# Altium PCB SVPX_FMC_6U_SOM.PcbDoc (part 8 of 9)
Units mm, origin at the board's own origin, x right, y up, seen from the top; angles counter-clockwise.
Board outline 160.38 x 233.53 mm, 10 copper layers (Top Layer, L1, P1, L2, P2, P3, L3, P4, L4, Bottom Layer), stack 1.749 mm thick; 649 components, 1262 nets, 4113 pads, 1924 vias.
Unrouted connection lines stored in the file: 1553.
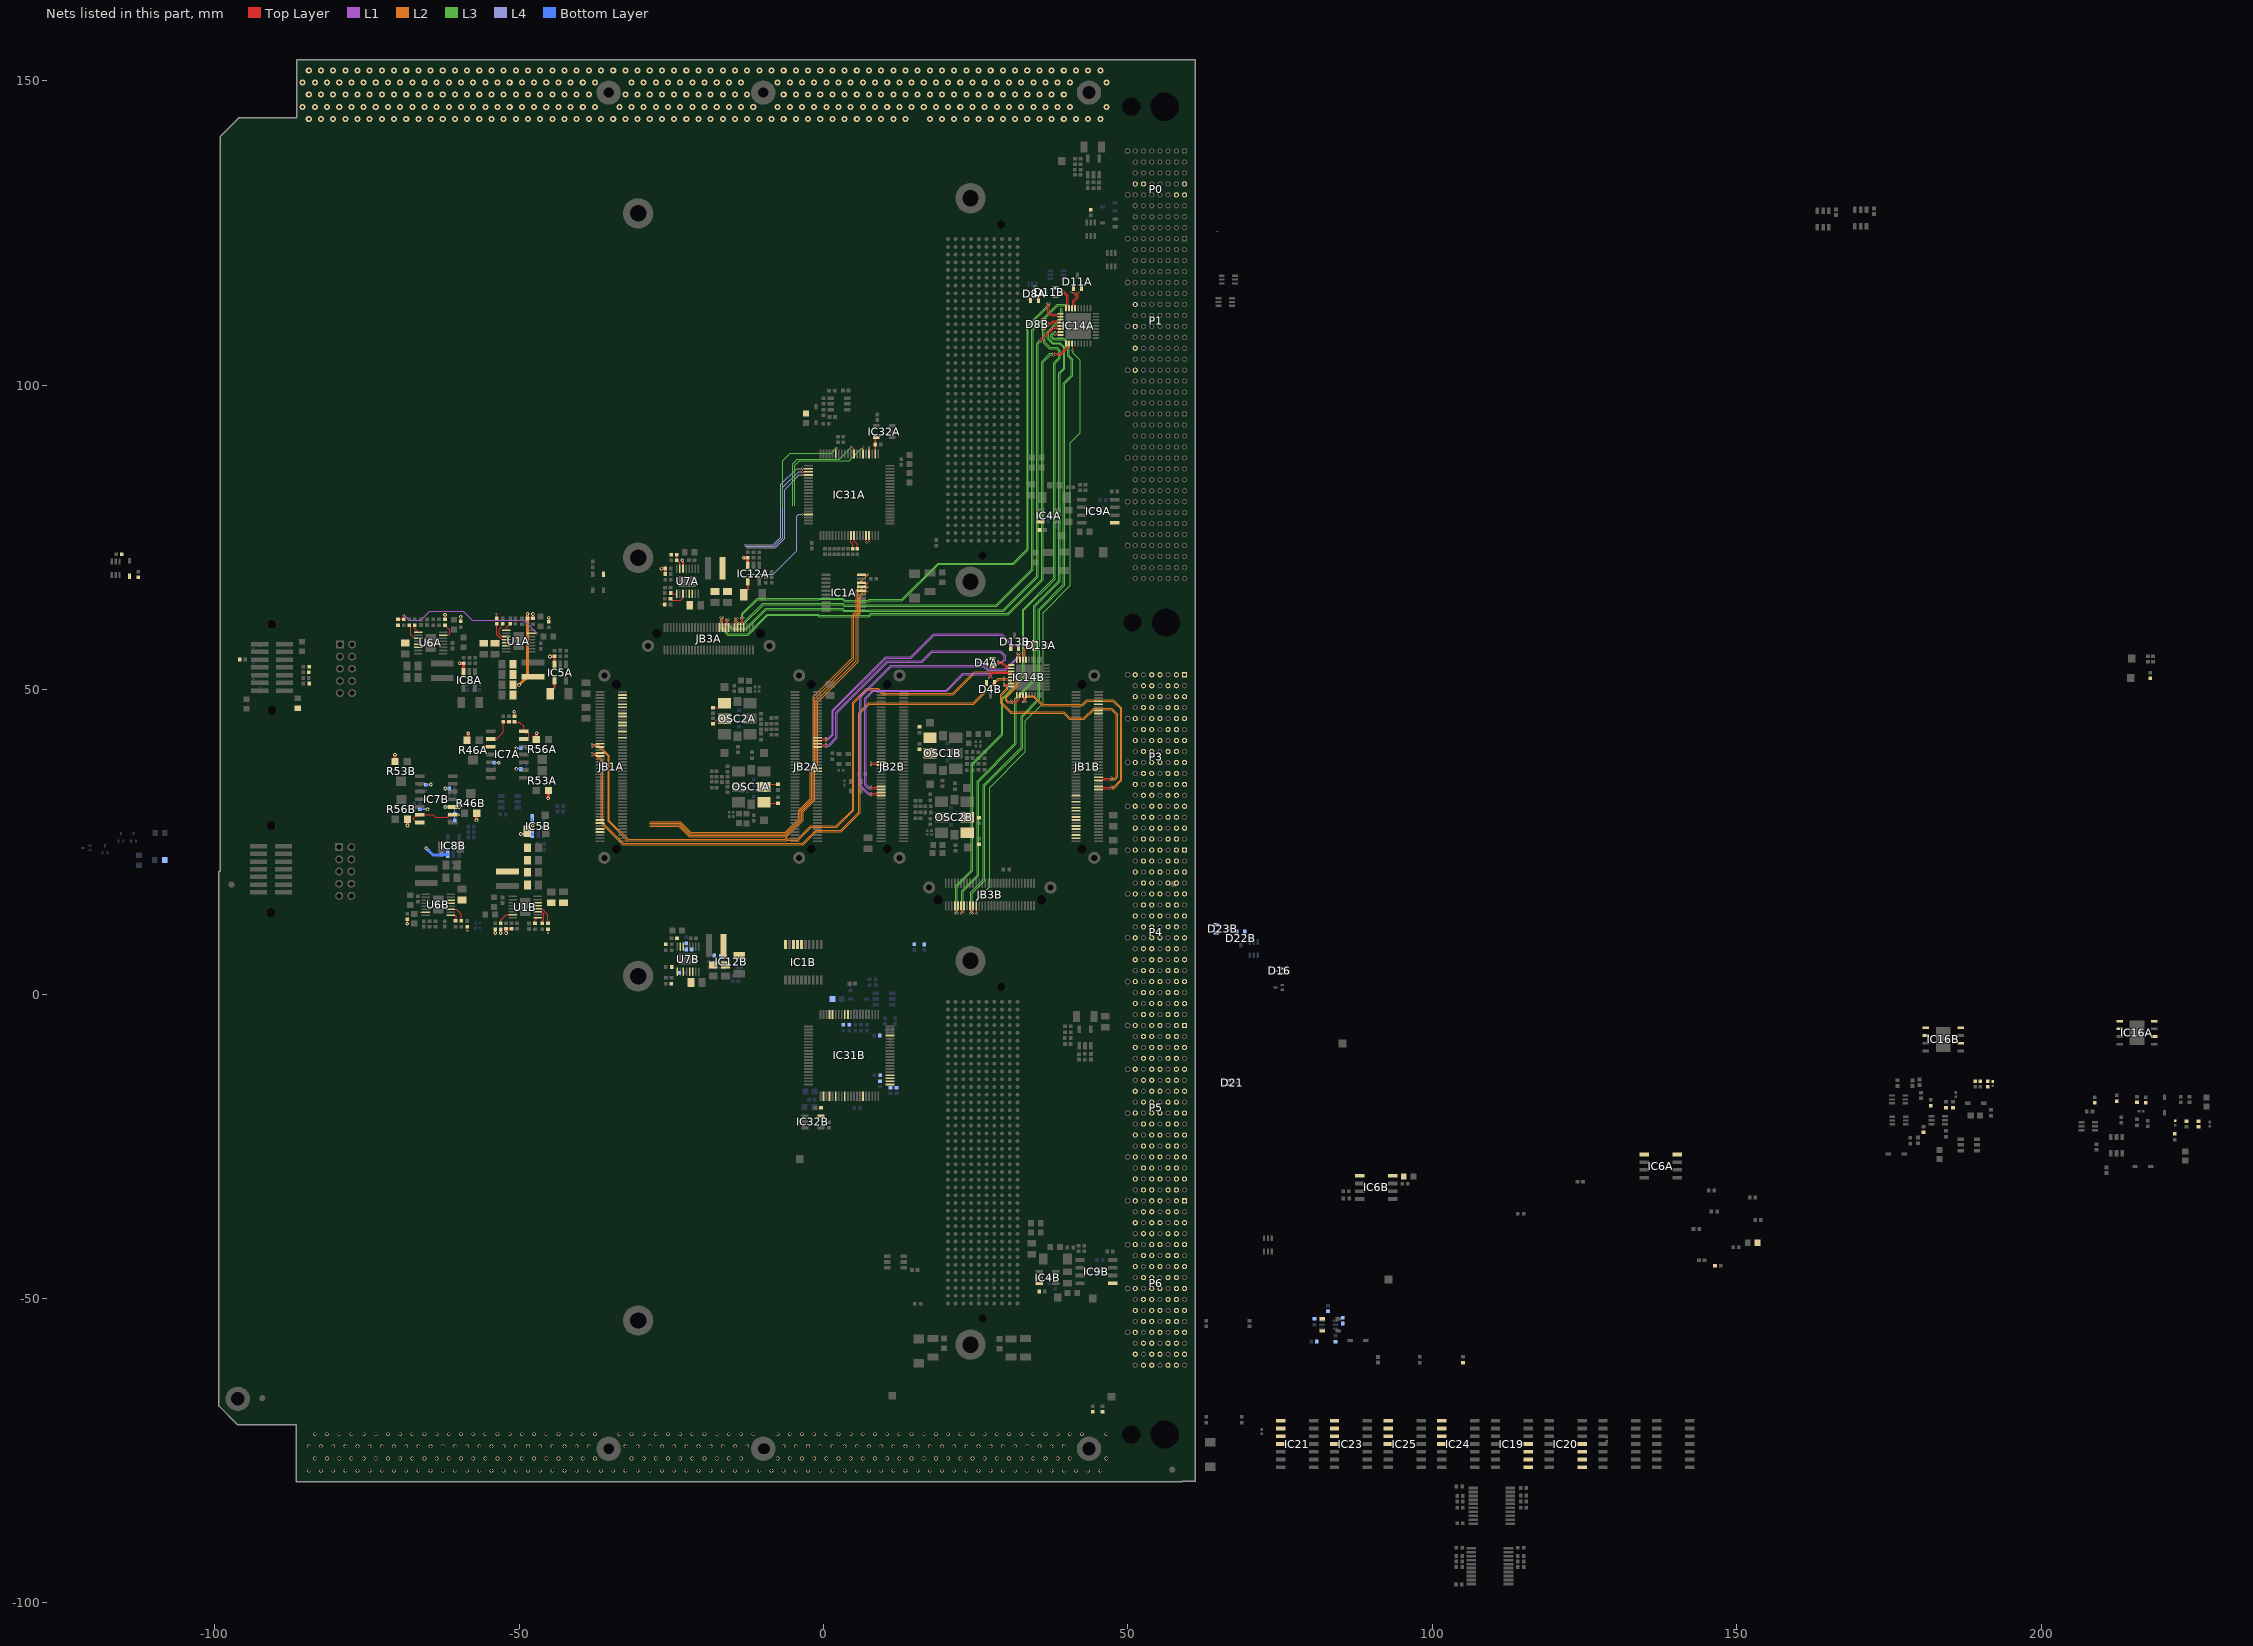
[diagram p16: the nets of this part, all layers, seen from the top]

## Via types
v1: diameter 0.32, hole 0.16, Top Layer to Bottom Layer, 654 vias
v2: diameter 0.6, hole 0.3, Top Layer to Bottom Layer, 398 vias
v3: diameter 1, hole 0.5, Top Layer to Bottom Layer, 314 vias
v4: diameter 0.3, hole 0.2, Top Layer to Bottom Layer, tented both sides, 270 vias
v5: diameter 0.6, hole 0.5, Top Layer to Bottom Layer, 248 vias
v6: diameter 0.5, hole 0.2, Top Layer to Bottom Layer, 18 vias
v7: diameter 0.3, hole 0.2, Top Layer to Bottom Layer, 18 vias
v8: diameter 0.4, hole 0.3, Top Layer to Bottom Layer, tented both sides, 4 vias

## Nets (pads, with @x,y where several pads share a name; then routed paths per layer and width w, separated by ;. In a path a pad name is that pad's centre, name@x,y a point inside that pad or via, vN(x,y) a via of type N, cw(c..) or ccw(c..) an arc to the next point about the centre after c; other vN are vias at no path point) (continued)
NetIC31A_22: IC31A.22 R142A.2 | length 20.9
  Top Layer w0.127: v1@-3.48,86.284 v1(-3.48,86.309) -2.484,86.309 IC31A.22@-2.45,86.275
  L4 w0.127: -13.03,73.812 -8.214,73.812 -6.985,75.042 -6.985,83.718 -4.394,86.309 v1(-3.48,86.309)
NetIC31A_23: IC31A.23 R143A.2 | length 20.3
  Top Layer w0.127: v1(-3.48,85.801) -3.467,85.788 -2.463,85.788 IC31A.23@-2.45,85.775
  L4 w0.127: -12.852,73.533 -8.077,73.533 -6.655,74.955 -6.655,83.21 -4.064,85.801 v1(-3.48,85.801)
NetIC31A_24: IC31A.24 R144A.2 | length 19.9
  Top Layer w0.127: v1(-3.48,85.256) -3.47,85.266 -2.459,85.266 IC31A.24@-2.45,85.275
  L4 w0.127: -12.7,73.304 -7.925,73.304 -6.375,74.854 -6.375,82.829 -3.949,85.256 v1(-3.48,85.256)
NetIC31A_37: IC31A.37 R136A.2 | length 17.4
  Top Layer w0.127: v1(-3.48,78.765) -3.475,78.77 -2.455,78.77 IC31A.37@-2.45,78.775
  L4 w0.127: -12.446,68.986 -8.23,68.986 -4.394,72.822 -4.394,78.461 -4.089,78.765 v1(-3.48,78.765)
NetIC31B_21: IC31B.21 R141B.2
NetIC31B_22: IC31B.22 R142B.2
NetIC31B_23: IC31B.23 R143B.2
NetIC31B_24: IC31B.24 R144B.2
NetIC31B_37: IC31B.37 R136B.2
NetOSC1A_1: OSC1A.1 R108A.2 | length 2.3
  Top Layer w0.127: OSC1A.1@-9.766,31.48 -9.642,31.356 R108A.2@-7.468,31.356
NetOSC1A_2: OSC1A.2 R119A.2 | length 2.5
  Top Layer w0.127: OSC1A.2@-9.766,34.02 -9.331,34.455 R119A.2@-7.468,34.455
NetOSC1B_1: OSC1B.1 R108B.2
NetOSC1B_2: OSC1B.2 R119B.2
NetOSC2A_1: OSC2A.1 R124A.2 | length 2.2
  Top Layer w0.127: R124A.2@-18.14,47.054 -16.932,47.054 OSC2A.1@-16.24,47.745
NetOSC2A_2: OSC2A.2 R129A.2 | length 2.3
  Top Layer w0.127: R129A.2@-18.14,44.361 -18.12,44.361 -17.893,44.588 -17.893,44.608 -17.431,45.069 -16.376,45.069 OSC2A.2@-16.24,45.205
NetOSC2B_1: OSC2B.1 R124B.2
NetOSC2B_2: OSC2B.2 R129B.2
NetR4A_2: R4A.2 U1A.1 | length 1.3
  Top Layer w0.127: U1A.1@-52.109,59.728 -52.109,60.133 -51.705,60.537 -51.705,60.557 -51.479,60.783 R4A.2@-51.459,60.783
NetR4B_2: R4B.2 U1B.1 | length 1.2
  Top Layer w0.127: R4B.2@-47.396,11.621 -47.396,12.084 -47.191,12.289 -47.191,12.473 -47.134,12.53 U1B.1@-46.95,12.53
NetR5A_1: R5A.1 R89A.1 U1A.4 | length 4.2
  Top Layer w0.127: R5A.1@-53.67,60.795 -53.67,59.055 -52.86,58.245 -52.125,58.245 U1A.4@-52.109,58.228 ; v1(-26.651,64) R89A.1@-26.07,64
NetR5B_1: R5B.1 R89B.1 U1B.4 | length 3.5
  Top Layer w0.127: U1B.4@-46.95,14.03 -46.926,14.006 -46.264,14.006 -45.263,13.005 R5B.1@-45.263,11.595
NetR17A_2: R17A.2 U6A.1 | length 1.5
  Top Layer w0.127: R17A.2@-67.15,60.605 -67.15,60.002 -66.817,59.668 -66.817,59.484 -66.76,59.427 U6A.1@-66.576,59.427
NetR17B_2: R17B.2 U6B.1 | length 1.8
  Top Layer w0.127: U6B.1@-61.217,12.927 -61.204,12.914 -60.463,12.914 -60.3,12.751 -60.3,12.165 R17B.2@-60.444,12.021
NetR21A_2: R21A.2 U6A.3 | length 3.1
  Top Layer w0.127: R21A.2@-68.025,60.605 -68.005,60.605 -67.778,60.378 -67.778,59.79 -67.753,59.764 -67.753,59.03 -67.151,58.427 U6A.3@-66.576,58.427
NetR21B_2: R21B.2 U6B.3 | length 3.2
  Top Layer w0.127: U6B.3@-61.217,13.927 -60.294,13.927 -59.479,13.112 R21B.2@-59.479,12.021
NetR25A_2: R25A.2 U7A.1 | length 1.1
  Top Layer w0.203: R25A.2@-25.105,65.85 -24.98,65.725 U7A.1@-24.075,65.725
NetR25B_2: R25B.2 U7B.1
NetR29A_2: R29A.2 U7A.3 | length 3
  Top Layer w0.203: R29A.2@-25.13,64.925 -25.13,64.905 -24.942,64.717 -24.922,64.717 -24.905,64.7 -23.425,64.7 -23.084,65.041 -23.084,65.716 U7A.3@-23.075,65.725
NetR29B_2: R29B.2 U7B.3
NetR61A_2: R61A.2 U1A.3 | length 3.2
  Top Layer w0.127: R61A.2@-52.684,60.803 -52.704,60.803 -52.931,60.577 -52.931,60.557 -52.959,60.528 -52.959,60.173 -53.238,59.893 -53.238,59.08 -52.886,58.728 U1A.3@-52.109,58.728
NetR61B_2: R61B.2 U1B.3 | length 2.8
  Top Layer w0.127: U1B.3@-46.95,13.53 -46.342,13.53 -46.28,13.468 -46.26,13.468 -45.923,13.132 -45.923,12.319 -46.177,12.065 R61B.2@-46.177,11.595
NVMRO_14: P0.A4
P1V8_outA: C197A.2 IC16A.8 R66A.2
P1V8_outB: C197B.2 IC16B.8 R66B.2
P3-DP0_N: P3.B1
P3-DP0_P: P3.A1
P3-DP1_N: P3.E1
P3-DP1_P: P3.D1
P3-DP2_N: P3.C2
P3-DP2_P: P3.B2
P3-DP3_N: P3.F2
P3-DP3_P: P3.E2
P3-DP4_N: P3.B3
P3-DP4_P: P3.A3
P3-DP5_N: P3.E3
P3-DP5_P: P3.D3
P3-DP6_N: P3.C4
P3-DP6_P: P3.B4
P3-DP7_N: P3.F4
P3-DP7_P: P3.E4
P3-DP8_N: P3.B5
P3-DP8_P: P3.A5
P3-DP9_N: P3.E5
P3-DP9_P: P3.D5
P3-DP10_N: P3.C6
P3-DP10_P: P3.B6
P3-DP11_N: P3.F6
P3-DP11_P: P3.E6
P3-DP12_N: P3.B7
P3-DP12_P: P3.A7
P3-DP13_N: P3.E7
P3-DP13_P: P3.D7
P3-DP14_N: P3.C8
P3-DP14_P: P3.B8
P3-DP15_N: P3.F8
P3-DP15_P: P3.E8
P3-DP16_N: P3.B9
P3-DP16_P: P3.A9
P3-DP17_N: P3.E9
P3-DP17_P: P3.D9
P3-DP18_N: P3.C10
P3-DP18_P: P3.B10
P3-DP19_N: P3.F10
P3-DP19_P: P3.E10
P3-DP20_N: P3.B11
P3-DP20_P: P3.A11
P3-DP21_N: P3.E11
P3-DP21_P: P3.D11
P3-DP22_N: P3.C12
P3-DP22_P: P3.B12
P3-DP23_N: P3.F12
P3-DP23_P: P3.E12
P3-DP24_N: P3.B13
P3-DP24_P: P3.A13
P3-DP25_N: P3.E13
P3-DP25_P: P3.D13
P3-DP26_N: P3.C14
P3-DP26_P: P3.B14
P3-DP27_N: P3.F14
P3-DP27_P: P3.E14
P3-DP28_N: P3.B15
P3-DP28_P: P3.A15
P3-DP29_N: P3.E15
P3-DP29_P: P3.D15
P3-DP30_N: P3.C16
P3-DP30_P: P3.B16
P3-DP31_N: P3.F16
P3-DP31_P: P3.E16
P3-SE0: P3.G1
P3-SE1: P3.G3
P3-SE2: P3.G5
P3-SE3: P3.G7
P3-SE4: P3.G9
P3-SE5: P3.G11
P3-SE6: P3.G13
P3-SE7: P3.G15
P3V3_buckA: C78A.2 C78B.2 C79A.2 C79B.2 C80A.2 C80B.2 IC12A.4 IC12B.4 L6A.2 L6B.2 R8A.2 R8B.2 R19A.2 R19B.2 R22A.1 R22B.1 R28A.2 R28B.2 U7A.14 U7B.14 | length 7.1
  Top Layer w0.254: v2(-68.377,11.557) -68.364,11.57 -68.364,12.243 R19B.2@-68.351,12.255 ; R19A.2@-59.575,61.197 v2(-59.575,61.952) ; v2(-53.899,10.033) R8B.2@-53.899,10.681 ; R8A.2@-45.11,61.174 v2@-45.11,61.823 ; v2(-23.176,71.253) -23.11,71.187 -23.11,70.967 -23.075,70.932 U7A.14@-23.075,69.825 ; IC12A.4@-12.45,67.7 -12.45,66.725 -12.307,66.581 -12.307,66.442
  Top Layer w0.4: R28A.2@-26.02,68.975 -26.01,68.985 -26.01,69.865 C80A.2@-26,69.875
  Top Layer w0.5: v2(-26.632,69.875) C80A.2@-26,69.875
  other v2: -45.11,61.824
P4-DP0_N: P4.B1
P4-DP0_P: P4.A1
P4-DP1_N: P4.E1
P4-DP1_P: P4.D1
P4-DP2_N: P4.C2
P4-DP2_P: P4.B2
P4-DP3_N: P4.F2
P4-DP3_P: P4.E2
P4-DP4_N: P4.B3
P4-DP4_P: P4.A3
P4-DP5_N: P4.E3
P4-DP5_P: P4.D3
P4-DP6_N: P4.C4
P4-DP6_P: P4.B4
P4-DP7_N: P4.F4
P4-DP7_P: P4.E4
P4-DP8_N: P4.B5
P4-DP8_P: P4.A5
P4-DP9_N: P4.E5
P4-DP9_P: P4.D5
P4-DP10_N: P4.C6
P4-DP10_P: P4.B6
P4-DP11_N: P4.F6
P4-DP11_P: P4.E6
P4-DP12_N: P4.B7
P4-DP12_P: P4.A7
P4-DP13_N: P4.E7
P4-DP13_P: P4.D7
P4-DP14_N: P4.C8
P4-DP14_P: P4.B8
P4-DP15_N: P4.F8
P4-DP15_P: P4.E8
P4-DP16_N: P4.B9
P4-DP16_P: P4.A9
P4-DP17_N: P4.E9
P4-DP17_P: P4.D9
P4-DP18_N: P4.C10
P4-DP18_P: P4.B10
P4-DP19_N: P4.F10
P4-DP19_P: P4.E10
P4-DP20_N: P4.B11
P4-DP20_P: P4.A11
P4-DP21_N: P4.E11
P4-DP21_P: P4.D11
P4-DP22_N: P4.C12
P4-DP22_P: P4.B12
P4-DP23_N: P4.F12
P4-DP23_P: P4.E12
P4-DP24_N: P4.B13
P4-DP24_P: P4.A13
P4-DP25_N: P4.E13
P4-DP25_P: P4.D13
P4-DP26_N: P4.C14
P4-DP26_P: P4.B14
P4-DP27_N: P4.F14
P4-DP27_P: P4.E14
P4-DP28_N: P4.B15
P4-DP28_P: P4.A15
P4-DP29_N: P4.E15
P4-DP29_P: P4.D15
P4-DP30_N: P4.C16
P4-DP30_P: P4.B16
P4-DP31_N: P4.F16
P4-DP31_P: P4.E16
P4-SE0: P4.G1
P4-SE1: P4.G3
P4-SE2: P4.G5
P4-SE3: P4.G7
P4-SE4: P4.G9
P4-SE5: P4.G11
P4-SE6: P4.G13
P4-SE7: P4.G15
P5-DP0_N: P5.B1
P5-DP0_P: P5.A1
P5-DP1_N: P5.E1
P5-DP1_P: P5.D1
P5-DP2_N: P5.C2
P5-DP2_P: P5.B2
P5-DP3_N: P5.F2
P5-DP3_P: P5.E2
P5-DP4_N: P5.B3
P5-DP4_P: P5.A3
P5-DP5_N: P5.E3
P5-DP5_P: P5.D3
P5-DP6_N: P5.C4
P5-DP6_P: P5.B4
P5-DP7_N: P5.F4
P5-DP7_P: P5.E4
P5-DP8_N: P5.B5
P5-DP8_P: P5.A5
P5-DP9_N: P5.E5
P5-DP9_P: P5.D5
P5-DP10_N: P5.C6
P5-DP10_P: P5.B6
P5-DP11_N: P5.F6
P5-DP11_P: P5.E6
P5-DP12_N: P5.B7
P5-DP12_P: P5.A7
P5-DP13_N: P5.E7
P5-DP13_P: P5.D7
P5-DP14_N: P5.C8
P5-DP14_P: P5.B8
P5-DP15_N: P5.F8
P5-DP15_P: P5.E8
P5-DP16_N: P5.B9
P5-DP16_P: P5.A9
P5-DP17_N: P5.E9
P5-DP17_P: P5.D9
P5-DP18_N: P5.C10
P5-DP18_P: P5.B10
P5-DP19_N: P5.F10
P5-DP19_P: P5.E10
P5-DP20_N: P5.B11
P5-DP20_P: P5.A11
P5-DP21_N: P5.E11
P5-DP21_P: P5.D11
P5-DP22_N: P5.C12
P5-DP22_P: P5.B12
P5-DP23_N: P5.F12
P5-DP23_P: P5.E12
P5-DP24_N: P5.B13
P5-DP24_P: P5.A13
P5-DP25_N: P5.E13
P5-DP25_P: P5.D13
P5-DP26_N: P5.C14
P5-DP26_P: P5.B14
P5-DP27_N: P5.F14
P5-DP27_P: P5.E14
P5-DP28_N: P5.B15
P5-DP28_P: P5.A15
P5-DP29_N: P5.E15
P5-DP29_P: P5.D15
P5-DP30_N: P5.C16
P5-DP30_P: P5.B16
P5-DP31_N: P5.F16
P5-DP31_P: P5.E16
P5-SE0: P5.G1
P5-SE1: P5.G3
P5-SE2: P5.G5
P5-SE3: P5.G7
P5-SE4: P5.G9
P5-SE5: P5.G11
P5-SE6: P5.G13
P5-SE7: P5.G15
P5V0_buckA: C7A.2 C9A.2 C35A.2 C72A.2 C213A.2 IC5A.4 L1A.2 R2A.2 R20A.1 | length 17.1
  Top Layer w0.254: v2(-48.59,62.459) -48.59,61.7 -48.589,61.698 R2A.2@-47.709,61.698 -47.718,61.707 -47.718,62.424 v2(-47.727,62.433) ; R20A.1@-44.875,49.326 -44.875,49.626 -44.377,50.124 -44.33,50.124 -44.181,50.273 IC5A.4@-44.181,51.457
  L2 w0.5: v2(-50.013,50.775) -48.59,52.197 v2(-48.59,62.459)
P5V0_buckB: C7B.2 C9B.2 C35B.2 C72B.2 C213B.2 IC5B.4 L1B.2 R2B.2 R20B.1 | length 2.9
  Top Layer w0.254: R2B.2@-52.146,10.706 -51.252,10.706 C7B.2@-51.232,10.726
  Top Layer w0.5: R2B.2@-52.146,10.706 -52.133,10.693 -52.133,10.046 v2(-52.121,10.033)
  Bottom Layer w0.254: IC5B.4@-47.817,28.924 -47.802,28.909 -47.802,27.736 v2(-47.752,27.686)
P6-DP0_N: P6.B1
P6-DP0_P: P6.A1
P6-DP1_N: P6.E1
P6-DP1_P: P6.D1
P6-DP2_N: P6.C2
P6-DP2_P: P6.B2
P6-DP3_N: P6.F2
P6-DP3_P: P6.E2
P6-DP4_N: P6.B3
P6-DP4_P: P6.A3
P6-DP5_N: P6.E3
P6-DP5_P: P6.D3
P6-DP6_N: P6.C4
P6-DP6_P: P6.B4
P6-DP7_N: P6.F4
P6-DP7_P: P6.E4
P6-DP8_N: P6.B5
P6-DP8_P: P6.A5
P6-DP9_N: P6.E5
P6-DP9_P: P6.D5
P6-DP10_N: P6.C6
P6-DP10_P: P6.B6
P6-DP11_N: P6.F6
P6-DP11_P: P6.E6
P6-DP12_N: P6.B7
P6-DP12_P: P6.A7
P6-DP13_N: P6.E7
P6-DP13_P: P6.D7
P6-DP14_N: P6.C8
P6-DP14_P: P6.B8
P6-DP15_N: P6.F8
P6-DP15_P: P6.E8
P6-DP16_N: P6.B9
P6-DP16_P: P6.A9
P6-DP17_N: P6.E9
P6-DP17_P: P6.D9
P6-DP18_N: P6.C10
P6-DP18_P: P6.B10
P6-DP19_N: P6.F10
P6-DP19_P: P6.E10
P6-DP20_N: P6.B11
P6-DP20_P: P6.A11
P6-DP21_N: P6.E11
P6-DP21_P: P6.D11
P6-DP22_N: P6.C12
P6-DP22_P: P6.B12
P6-DP23_N: P6.F12
P6-DP23_P: P6.E12
P6-DP24_N: P6.B13
P6-DP24_P: P6.A13
P6-DP25_N: P6.E13
P6-DP25_P: P6.D13
P6-DP26_N: P6.C14
P6-DP26_P: P6.B14
P6-DP27_N: P6.F14
P6-DP27_P: P6.E14
P6-DP28_N: P6.B15
P6-DP28_P: P6.A15
P6-DP29_N: P6.E15
P6-DP29_P: P6.D15
P6-DP30_N: P6.C16
P6-DP30_P: P6.B16
P6-DP31_N: P6.F16
P6-DP31_P: P6.E16
P6-SE0: P6.G1
P6-SE1: P6.G3
P6-SE2: P6.G5
P6-SE3: P6.G7
P6-SE4: P6.G9
P6-SE5: P6.G11
P6-SE6: P6.G13
P6-SE7: P6.G15
P12V0_IN: C74A.2 C74B.2 IC4A.3 IC4B.3 IC6A.1 IC6B.1 IC9A.1 IC9B.1
P12V0A: C1A.2 C5A.2 C10A.2 C12A.2 C18A.2 C29A.2 C269A.2 C270A.2 IC5A.3 IC6A.8 IC7A.3 IC8A.3 IC12A.3 R1A.1 R3A.2 R23A.1 R46A.3 R52A.2 R53A.3 R55A.2 R56A.3 R58A.2 R76A.2 R85A.1 R94A.2 R107A.1 U1A.5 U1A.6 U6A.5 U6A.6 U7A.5 U7A.6 | length 14.6
  Top Layer w0.254: R76A.2@-62.175,61.545 -62.165,61.555 -62.165,62.284 v2(-62.155,62.293) ; v2(-50.775,46.355) -50.762,46.342 -50.762,45.669 R23A.1@-50.749,45.657 ; v2(-44.907,55.448) -44.891,55.464 -44.212,55.464 C10A.2@-44.196,55.481 -44.181,55.466 IC5A.3@-44.181,54.157
  Top Layer w0.5: v2(-59.766,54.331) -59.764,54.328 -59.102,54.328 C269A.2@-59.099,54.325 -59.125,54.3 IC8A.3@-59.125,52.912 ; R46A.3@-58.55,41.7 -58.366,41.884 -58.366,42.801 -58.344,42.823 v2(-58.344,42.85) ; v2(-55.905,40.64) -55.895,40.63 -54.635,40.63 IC7A.3@-54.625,40.62 ; R56A.3@-47.175,41.8 -47.136,41.839 -47.136,42.831 v2(-47.117,42.85) ; v2(-45.212,32.14) -45.212,32.167 -45.175,32.204 R53A.3@-45.175,33.425 ; v2(-13.1,71.667) -13.091,71.658 -12.458,71.658 C270A.2@-12.45,71.65 IC12A.3@-12.45,70.4
  Bottom Layer w0.254: R3A.2@-54.08,38 v2@-53.341,37.999 ; v2(-50.444,36.982) -50.435,36.973 -49.729,36.973 R52A.2@-49.72,36.964 ; v2(-50.444,40.361) -50.442,40.358 -49.728,40.358 R55A.2@-49.726,40.355
  other v2: -53.34,37.998
P12V0B: C1B.2 C5B.2 C10B.2 C12B.2 C18B.2 C29B.2 C269B.2 C270B.2 IC5B.3 IC6B.8 IC7B.3 IC8B.3 IC12B.3 R1B.1 R3B.2 R23B.1 R46B.3 R52B.2 R53B.3 R55B.2 R56B.3 R58B.2 R76B.2 R85B.1 R94B.2 R107B.1 U1B.5 U1B.6 U6B.5 U6B.6 U7B.5 U7B.6 | length 14.5
  Top Layer w0.254: v2(-53.01,10.033) R58B.2@-53.01,10.681
  Top Layer w0.5: v2(-70.383,39.319) -70.379,39.315 -70.379,38.204 R53B.3@-70.375,38.2 ; v2@-68.325,27.687 R56B.3@-68.325,28.725 ; IC7B.3@-60.925,30.719 -60.918,30.727 -59.822,30.727 v2(-59.815,30.734) ; v2(-56.998,28.524) -56.998,28.551 -56.975,28.574 -56.975,29.65 R46B.3@-56.95,29.675
  Bottom Layer w0.254: R55B.2@-66.307,30.353 -65.075,30.353 v2(-65.049,30.328) ; R52B.2@-65.337,34.382 -64.526,34.382 v2(-64.491,34.417) ; v2(-62.128,30.734) -62.124,30.73 -61.474,30.73 R23B.1@-61.47,30.725 ; v2(-62.128,33.757) -62.126,33.754 -61.491,33.754 R3B.2@-61.488,33.752 ; v2@-49.708,26.365 v2(-49.708,26.289) -48.801,26.289 C10B.2@-48.793,26.296
  Bottom Layer w0.5: v2(-65.227,23.952) -64.121,22.846 -62.847,22.846 -62.834,22.858 -62.798,22.858 C269B.2@-62.738,22.918 -62.705,22.951 -61.765,22.951 IC8B.3@-61.732,22.983 ; C10B.2@-48.793,26.296 -48.757,26.26 -47.853,26.26 IC5B.3@-47.817,26.224
  other v2: -68.326,27.686
PG_P2V5A: D6A.1 IC31A.6 R76A.1 R194A.2 U6A.15 | length 23.1
  Top Layer w0.127: U6A.15@-62.476,58.927 -61.596,58.927 -61.417,59.106 -61.417,59.842 -61.928,60.354 -61.928,60.378 -62.155,60.605 R76A.1@-62.175,60.605 ; v1(6.452,89.789) 6.476,89.765 6.476,88.749 IC31A.6@6.5,88.725
  L3 w0.127: -4.699,80.162 -4.699,86.817 -3.937,87.579 4.242,87.579 v1(6.452,89.789)
PG_P2V5B: D6B.1 IC31B.6 R76B.1 R194B.2 U6B.15 | length 1
  Top Layer w0.127: v1(-66.345,13.437) -65.326,13.437 U6B.15@-65.317,13.427
PG_P3V3A: D17A.1 IC31A.57 R94A.1 R193A.2 U7A.15 | length 3.7
  Top Layer w0.203: R94A.1@-24.08,72.15 R193A.2@-24.08,71.25 -24.08,71.23 -23.892,71.042 -23.872,71.042 -23.575,70.745 U7A.15@-23.575,69.825 ; IC31A.57@7.5,75.325 7.509,75.316 7.509,74.203 v1(7.518,74.193)
PG_P3V3B: D17B.1 IC31B.57 R94B.1 R193B.2 U7B.15
PG_P5V0A: IC31A.4 R58A.1 R60A.1 R195A.2 U1A.15 | length 27.9
  Top Layer w0.127: U1A.15@-48.009,59.228 -47.121,59.228 v1(-47.117,59.233) ; v1(7.493,89.738) 7.497,89.735 7.497,88.728 IC31A.4@7.5,88.725
  Top Layer w0.254: R58A.1@-69.875,61.545 R60A.1@-68.95,61.545 v1(-68.95,62.293)
  L1 w0.127: v1(-68.95,62.293) -68.023,61.366 -66.168,61.366 -64.644,62.89 -59.182,62.89 -57.658,61.366 -49.251,61.366 v1(-47.117,59.233)
PG_P5V0B: IC31B.4 R58B.1 R60B.1 R195B.2 U1B.15 | length 3.6
  Top Layer w0.127: R60B.1@-58.496,11.062 -58.496,10.363 v1(-58.471,10.338) ; R58B.1@-53.01,11.621 -53.01,12.09 -52.07,13.03 U1B.15@-51.05,13.03
PHY_MDI0A_N: JB1A.5
PHY_MDI0A_P: JB1A.3
PHY_MDI0B_N: JB1B.5
PHY_MDI0B_P: JB1B.3
PHY_MDI1A_N: JB1A.11
PHY_MDI1A_P: JB1A.9
PHY_MDI1B_N: JB1B.11
PHY_MDI1B_P: JB1B.9
PHY_MDI2A_N: JB1A.17
PHY_MDI2A_P: JB1A.15
PHY_MDI2B_N: JB1B.17
PHY_MDI2B_P: JB1B.15
PHY_MDI3A_N: JB1A.23
PHY_MDI3A_P: JB1A.21
PHY_MDI3B_N: JB1B.23
PHY_MDI3B_P: JB1B.21
PWR_OVLnA: C83A.2 IC7A.2 IC7A.13 IC7A.14 IC31A.15 R5A.2 R23A.2 R192A.2 | length 30.3
  Top Layer w0.127: IC7A.2@-54.625,41.89 -53.716,41.89 -52.603,43.002 C83A.2@-52.603,44.737 -51.684,44.737 R192A.2@-51.664,44.717 R23A.2@-50.749,44.717 -50.711,44.679 -49.936,44.679 -49.225,43.967 IC7A.14@-49.225,43.16 -48.988,42.923 -48.511,42.923 -48.387,42.799 -48.387,42.345 -48.389,42.344 -48.389,42.238 -48.501,42.126 -48.988,42.126 IC7A.13@-49.225,41.89 ; R5A.2@-53.67,61.735 v1(-53.67,62.433) ; IC31A.15@2,88.725 2.086,88.811 2.086,89.588 2.134,89.635 v1(2.134,89.687)
  L3 w0.127: -6.68,79.883 -6.68,87.579 -5.436,88.824 1.27,88.824 v1(2.134,89.687)
PWR_OVLnB: C83B.2 IC7B.2 IC7B.13 IC7B.14 IC31B.15 R5B.2 R23B.2 R192B.2 | length 13.1
  Top Layer w0.127: IC7B.14@-66.325,28.179 -66.562,28.416 -67.075,28.416 -67.259,28.6 -67.259,29.007 -67.053,29.213 -66.562,29.213 IC7B.13@-66.325,29.449 -64.077,29.449 -63.699,29.071 -61.778,29.071 -61.4,29.449 IC7B.2@-60.925,29.449 -59.853,29.449 v1(-59.842,29.439) ; R5B.2@-45.263,10.655 -45.212,10.604 v1(-45.212,10.033)
  Bottom Layer w0.127: R192B.2@-60.541,28.55 -60.541,29.571 C83B.2@-60.561,29.591 ; R23B.2@-60.53,30.725 -60.561,30.694 C83B.2@-60.561,29.591 ; v1(-59.842,29.439) -59.861,29.439 -60.013,29.591 C83B.2@-60.561,29.591
REF_2V048A: C233A.2 IC31A.2 IC32A.5 | length 2.8
  Top Layer w0.254: IC31A.2@8.5,88.725 8.495,88.73 8.495,90.242 C233A.2@8.491,90.246 8.491,91.257 8.664,91.43 IC32A.5@8.682,91.43
REF_2V048B: C233B.2 IC31B.2 IC32B.5
REF_CLK1_N: D23B.2 JB2B.53 P1.G7 | length 1.8
  Top Layer w0.118: v1(7.772,38.06) 7.827,38.06 7.915,37.972 8.548,37.972 8.715,37.972 8.842,38.1 JB2B.53@9.475,38.1
REF_CLK1_P: D23B.1 JB2B.51 P1.G9 | length 1.8
  Top Layer w0.118: v1(7.772,37.64) 7.827,37.64 7.915,37.728 8.447,37.728 8.715,37.728 8.842,37.6 JB2B.51@9.475,37.6
REF_CLK2_N: D22B.1 JB2A.53 P1.G11
REF_CLK2_P: D22B.2 JB2A.51 P1.G13
RxDA: IC31A.9 R146A.2 | length 19.1
  Top Layer w0.127: v1(4.521,89.814) 4.724,89.814 4.914,89.625 4.914,88.811 IC31A.9@5,88.725
  L3 w0.127: -5.055,80.162 -5.055,87.122 -4.318,87.859 2.565,87.859 v1(4.521,89.814)
RxDB: IC31B.9 R146B.2
SCL: IC24.4 IC25.4
SCL_A: IC24.3
SCL_B: IC25.3
SDA: IC24.1 IC25.1
SDA_A: IC24.2
SDA_B: IC25.2
shell_1: C211.1 C212.1 R150.2 R151.2
  other v3: -84.535,143.717 -82.535,143.717 -80.535,143.717 -78.535,143.717 -76.535,143.717 -74.535,143.717 -72.535,143.717 -70.535,143.717 -68.535,143.717 -66.535,143.717 -64.535,143.717 -62.535,143.717 -60.535,143.717 -58.535,143.717 -56.535,143.717 -54.535,143.717 -52.535,143.717 -50.535,143.717 -48.535,143.717 -46.534,143.717 -44.534,143.717 -42.534,143.717 -40.534,143.717 -38.534,143.717 -36.534,143.717 -34.534,143.717 -32.534,143.717 -30.534,143.717 -28.534,143.717 -26.534,143.717 -24.534,143.717 -22.534,143.717 -20.534,143.717 -18.534,143.717 -16.534,143.717 -14.534,143.717 -12.534,143.717 -10.534,143.717 -8.534,143.717 -6.534,143.717 -4.534,143.717 -2.534,143.717 -0.534,143.717 1.466,143.717 3.466,143.717 5.466,143.717 7.466,143.717 9.466,143.717 11.466,143.717 13.466,143.717 17.466,143.717 19.466,143.717 21.466,143.717 23.466,143.717 25.466,143.717 27.466,143.717 29.466,143.717 31.466,143.717 33.466,143.717 35.466,143.717 37.466,143.717 39.466,143.717 41.466,143.717 43.466,143.717 45.466,143.717 -85.535,145.717 -83.535,145.717 -81.535,145.717 -79.535,145.717 -77.535,145.717 -75.535,145.717 -73.535,145.717 -71.535,145.717 -69.535,145.717 -67.535,145.717 -65.535,145.717 -63.535,145.717 -61.535,145.717 -59.535,145.717 -57.535,145.717 -55.535,145.717 -53.535,145.717 -51.535,145.717 -49.535,145.717 -47.534,145.717 -45.534,145.717 -43.534,145.717 -41.534,145.717 -39.534,145.717 -37.534,145.717 -33.534,145.717 -31.534,145.717 -29.534,145.717 -27.534,145.717 -25.534,145.717 -23.534,145.717 -21.534,145.717 -19.534,145.717 -17.534,145.717 -15.534,145.717 -13.534,145.717 -11.534,145.717 -7.534,145.717 -5.534,145.717 -3.534,145.717 -1.534,145.717 0.466,145.717 2.466,145.717 4.466,145.717 6.466,145.717 8.466,145.717 10.466,145.717 12.466,145.717 14.466,145.717 16.466,145.717 18.466,145.717 20.466,145.717 22.466,145.717 24.466,145.717 26.466,145.717 28.466,145.717 30.466,145.717 32.466,145.717 34.466,145.717 36.466,145.717 38.466,145.717 40.466,145.717 46.466,145.717 -84.535,147.717 -82.535,147.717 -80.535,147.717 -78.535,147.717 -76.535,147.717 -74.535,147.717 -72.535,147.717 -70.535,147.717 -68.535,147.717 -66.535,147.717 -64.535,147.717 -62.535,147.717 -60.535,147.717 -58.535,147.717 -56.535,147.717 -54.535,147.717 -52.535,147.717 -50.535,147.717 -48.535,147.717 -46.534,147.717 -44.534,147.717 -42.534,147.717 -40.534,147.717 -38.534,147.717 -32.534,147.717 -30.534,147.717 -28.534,147.717 -26.534,147.717 -24.534,147.717 -22.534,147.717 -20.534,147.717 -18.534,147.717 -16.534,147.717 -14.534,147.717 -12.534,147.717 -6.534,147.717 -4.534,147.717 -2.534,147.717 -0.534,147.717 1.466,147.717 3.466,147.717 5.466,147.717 7.466,147.717 9.466,147.717 11.466,147.717 13.466,147.717 15.466,147.717 17.466,147.717 19.466,147.717 21.466,147.717 23.466,147.717 25.466,147.717 27.466,147.717 29.466,147.717 31.466,147.717 33.466,147.717 35.466,147.717 37.466,147.717 39.466,147.717 -85.535,149.717 -83.535,149.717 -81.535,149.717 -79.535,149.717 -77.535,149.717 -75.535,149.717 -73.535,149.717 -71.535,149.717 -69.535,149.717 -67.535,149.717 -65.535,149.717 -63.535,149.717 -61.535,149.717 -59.535,149.717 -57.535,149.717 -55.535,149.717 -53.535,149.717 -51.535,149.717 -49.535,149.717 -47.534,149.717 -45.534,149.717 -43.534,149.717 -41.534,149.717 -39.534,149.717 -37.534,149.717 -31.534,149.717 -29.534,149.717 -27.534,149.717 -25.534,149.717 -23.534,149.717 -21.534,149.717 -19.534,149.717 -17.534,149.717 -15.534,149.717 -13.534,149.717 -7.534,149.717 -5.534,149.717 -3.534,149.717 -1.534,149.717 0.466,149.717 2.466,149.717 4.466,149.717 6.466,149.717 8.466,149.717 10.466,149.717 12.466,149.717 14.466,149.717 16.466,149.717 18.466,149.717 20.466,149.717 22.466,149.717 24.466,149.717 26.466,149.717 28.466,149.717 30.466,149.717 32.466,149.717 34.466,149.717 36.466,149.717 38.466,149.717 40.466,149.717 46.466,149.717 -84.535,151.717 -82.535,151.717 -80.535,151.717 -78.535,151.717 -76.535,151.717 -74.535,151.717 -72.535,151.717 -70.535,151.717 -68.535,151.717 -66.535,151.717 -64.535,151.717 -62.535,151.717 -60.535,151.717 -58.535,151.717 -56.535,151.717 -54.535,151.717 -52.535,151.717 -50.535,151.717 -48.535,151.717 -46.534,151.717 -44.534,151.717 -42.534,151.717 -40.534,151.717 -38.534,151.717 -36.534,151.717 -34.534,151.717 -32.534,151.717 -30.534,151.717 -28.534,151.717 -26.534,151.717 -24.534,151.717 -22.534,151.717 -20.534,151.717 -18.534,151.717 -16.534,151.717 -14.534,151.717 -12.534,151.717 -10.534,151.717 -8.534,151.717 -6.534,151.717 -4.534,151.717 -2.534,151.717 -0.534,151.717 1.466,151.717 3.466,151.717 5.466,151.717 7.466,151.717 9.466,151.717 11.466,151.717 13.466,151.717 15.466,151.717 17.466,151.717 19.466,151.717 21.466,151.717 23.466,151.717 25.466,151.717 27.466,151.717 29.466,151.717 31.466,151.717 33.466,151.717 35.466,151.717 37.466,151.717 39.466,151.717 41.466,151.717 43.466,151.717 45.466,151.717